# KiCad board ControlBoard.kicad_pcb (continued)
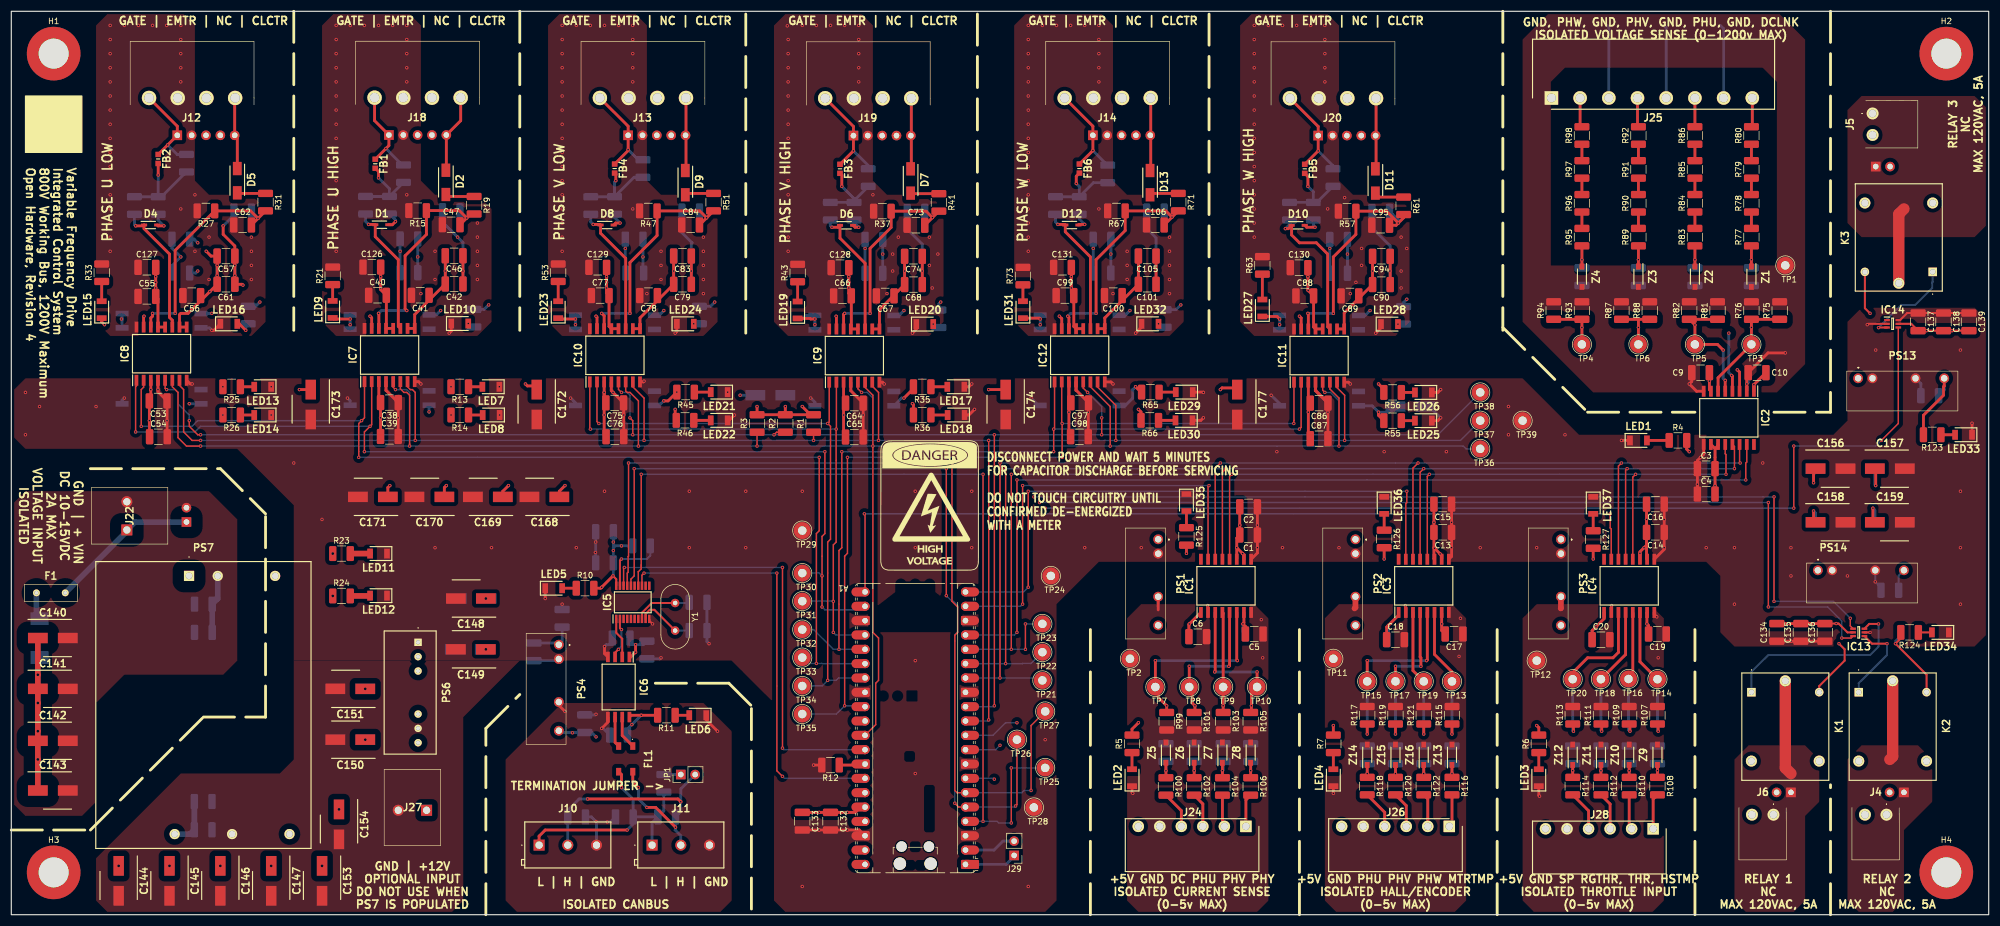
[diagram p0: board, top side]
## Routing (per net, layer and track width the routed paths; a pad name or vN(x,y) marks a point on that pad's centre or on a via; arc(x,y) is an arc through that point) (continued)
Net-(IC6-CANH): length 5.9
  Top w0.5: IC6.7 108.13,31.74 FL1.1
Net-(IC6-CANL): length 5.4
  Top w0.5: IC6.6 106.87,30.51 FL1.2
Net-(IC7-DESAT): length 40.1
  Top w0.5: R19.2 81.32,124.1 v1(80.61,123.39) ; v1(65,106.5) 65.06,106.44 65.06,103.84 ; v1(80.61,123.39) 79.3,124.7 R15.1 73.47,120.53 73.5,120.5 69.7,116.7 69.7,107.3 v1(70,107) ; v1(80.61,123.39) C47.2
  Bottom w0.5: v1(80.61,123.39) 79.42,124.58 R18.2 ; v1(70,107) 65.5,107 v1(65,106.5)
Net-(IC8-DESAT): length 41.2
  Top w0.5: R31.2 v1(43.67,123.33) ; v1(43.67,123.33) 42.35,124.65 R27.1 29,117.65 v1(29,106.5) ; v1(43.67,123.33) C62.2 ; v1(25,106.5) 25,106 24.69,105.69 IC8.14
  Bottom w0.5: v1(43.67,123.33) 42.5,124.5 R30.2 ; v1(25,106.5) v1(29,106.5)
Net-(IC9-DESAT): length 40.1
  Top w0.5: R41.2 v1(163.04,123.46) ; v1(163.04,123.46) C73.2 ; v1(163.04,123.46) 161.9,124.6 R37.1 155.73,121.73 152,118 v1(152,106.5) ; v1(147.5,106.5) 147.31,106.31 IC9.14
  Bottom w0.5: R40.2 161.9,124.6 v1(163.04,123.46) ; v1(147.5,106.5) v1(152,106.5)
Net-(IC10-DESAT): length 42.6
  Top w0.5: v1(123.07,123.42) 121.85,124.65 R47.1 114.3,120.3 109.5,115.5 v1(109.5,106.5) ; v1(123.07,123.42) C84.2 ; v1(123.07,123.42) R51.2 ; IC10.14 104.94,106.06 v1(104.5,106.5)
  Bottom w0.5: v1(123.07,123.42) 121.85,124.65 R50.2 ; v1(104.5,106.5) v1(109.5,106.5)
Net-(IC11-DESAT): length 41.8
  Top w0.5: v1(245.5,122.5) 243.4,124.6 R57.1 237.99,120.49 234,116.5 v1(234,106.5) ; v1(245.5,122.5) 245.1,122.1 C95.2 ; v1(245.5,122.5) 246.44,123.44 R61.2 ; IC11.14 229.57,106.42 v1(229.5,106.5)
  Bottom w0.5: v1(229.5,106.5) v1(234,106.5) ; v1(245.5,122.5) 245.5,123.04 R60.2
Net-(IC12-DESAT): length 41.9
  Top w0.5: v1(205.46,123.55) C106.2 ; v1(205.46,123.55) R71.2 ; v1(205.46,123.55) 204.35,124.65 R67.1 197.16,121.16 192,116 v1(192,106.5) ; v1(187,106) 187.19,105.81 IC12.14
  Bottom w0.5: v1(187,106) 187.5,106.5 v1(192,106.5) ; v1(205.46,123.55) 204.35,124.65 R70.2
Net-(IC13-C1/A1): length 15.2
  Top w0.35: v1(332,48) 329.35,48 IC13.1
  Bottom w0.35: v1(332,48) 332,46 327,41 K2.1
Net-(IC13-C2/A2): length 34.8
  Top w0.35: IC13.3 328.85,51.5 v1(330.5,51.5)
  Bottom w0.35: K1.1 308,43 311,46 329,46 330.5,47.5 v1(330.5,51.5)
Net-(IC14-C2/A2): length 16.8
  Top w0.35: v1(330.5,103.97) 330.52,104 IC14.3
  Bottom w0.35: K3.1 340.08,112.09 340,112 340,111 337,108 334.52,108 v1(330.5,103.97)
Net-(JP1-A): length 3
  Bottom w0.5: 115.5,24.82 JP1.1
Net-(LED1-A): length 3.9
  Top w0.5: R4.1 LED1.2
Net-(LED2-A): length 3
  Top w0.5: R5.1 LED2.2
Net-(LED3-A): length 3
  Top w0.5: LED3.2 R6.1
Net-(LED4-A): length 3
  Top w0.5: R7.1 LED4.2
Net-(LED5-A): length 2.5
  Top w0.5: R10.1 LED5.2
Net-(LED6-A): length 2.5
  Top w0.5: R11.1 LED6.2
Net-(LED7-A): length 2.4
  Top w0.5: R13.1 LED7.2
Net-(LED8-A): length 2.5
  Top w0.5: R14.1 LED8.2
Net-(LED9-A): length 2.9
  Top w0.5: LED9.2 R21.1
Net-(LED10-A): length 1.2
  Bottom w0.5: v1(80.88,104.7) 81.48,104.1 R22.1
Net-(LED11-A): length 3.5
  Top w1: LED11.2 R23.2
Net-(LED12-A): length 3.5
  Top w1: R24.2 63.45,56.46 LED12.2
Net-(LED13-A): length 2.5
  Top w0.5: LED13.2 R25.1
Net-(LED14-A): length 2.5
  Top w0.5: LED14.2 R26.1
Net-(LED15-A): length 3.5
  Top w0.5: LED15.2 R33.1
Net-(LED16-A): length 3.3
  Top w0.5: v1(41.5,103.5) 40.35,104.65 LED16.2
  Bottom w0.5: v1(41.5,103.5) 41.5,104.21 R34.1
Net-(LED17-A): length 2.9
  Top w0.5: R35.1 LED17.2
Net-(LED18-A): length 2.9
  Top w0.5: R36.1 LED18.2
Net-(LED19-A): length 3.5
  Top w0.5: LED19.2 R43.1
Net-(LED20-A): length 1.2
  Bottom w0.5: v1(163.18,104.6) 163.78,104 R44.1
Net-(LED21-A): length 2.9
  Top w0.5: R45.1 LED21.2
Net-(LED22-A): length 3
  Top w0.5: LED22.2 R46.1
Net-(LED23-A): length 3.5
  Top w0.5: LED23.2 R53.1
Net-(LED24-A): length 1
  Bottom w0.5: R54.1 v1(120.8,104.65)
Net-(LED25-A): length 2.4
  Top w0.5: LED25.2 R55.1
Net-(LED26-A): length 2.4
  Top w0.5: R56.1 LED26.2
Net-(LED27-A): length 4.5
  Top w0.5: R63.1 LED27.2
Net-(LED28-A): length 1
  Bottom w0.5: R64.1 v1(245.44,104.6)
Net-(LED29-A): length 3
  Top w0.5: R65.1 LED29.2
Net-(LED30-A): length 3
  Top w0.5: LED30.2 R66.1
Net-(LED31-A): length 2.9
  Top w0.5: R73.1 LED31.2
Net-(LED32-A): length 1.2
  Bottom w0.5: v1(203.06,104.65) 203.66,104.05 R74.1
Net-(LED33-A): length 2.5
  Top w0.5: R123.1 LED33.2
Net-(LED34-A): length 2.4
  Top w0.35: R124.1 LED34.2
Net-(LED35-A): length 3
  Top w0.5: LED35.2 R125.1
Net-(LED36-A): length 2.9
  Top w0.5: LED36.2 R126.1
Net-(LED37-A): length 3
  Top w0.5: LED37.2 R127.1
Net-(R77-Pad2): length 2.9
  Top w0.5: R78.1 R77.2
Net-(R78-Pad2): length 2.9
  Top w0.5: R79.1 R78.2
Net-(R79-Pad2): length 2.9
  Top w0.5: R79.2 R80.1
Net-(R83-Pad2): length 2.9
  Top w0.5: R84.1 R83.2
Net-(R84-Pad2): length 2.9
  Top w0.5: R85.1 R84.2
Net-(R85-Pad2): length 2.9
  Top w0.5: R86.1 R85.2
Net-(R89-Pad2): length 2.9
  Top w0.5: R90.1 R89.2
Net-(R90-Pad2): length 2.9
  Top w0.5: R91.1 R90.2
Net-(R91-Pad2): length 2.9
  Top w0.5: R92.1 R91.2
Net-(R95-Pad2): length 2.9
  Top w0.5: R96.1 R95.2
Net-(R96-Pad2): length 2.9
  Top w0.5: R97.1 R96.2
Net-(R97-Pad2): length 2.9
  Top w0.5: R98.1 R97.2

## Copper pours and planes (outline as drawn; the poured copper is in the pictures)
/+3.3V_A on In2.Cu: 15,2.5 17.5,0 77.5,0 80,2.5 80,37.5 82.5,40 85,40 87.5,42.5 87.5,67.5 85,70 55,70 52.5,67.5 52.5,27.5 50,25 30,25 15,12.5
/+3.3V_A on In2.Cu: 55,72.5 45,82.5 17.5,82.5 15,85 15,92.5 17.5,95 267.5,95 277.5,85 322.5,85 325,87.5 325,90 327.5,92.5 347.5,92.5 350,90 350,67.5 347.5,65 327.5,65 325,62.5 325,57.5 322.5,55 312.5,55 310,57.5 310,60 307.5,62.5 192.5,62.5 185,55 185,2.5 182.5,0 137.5,0 135,2.5 135,37.5 127.5,45 55,45
/+5V_V on In2.Cu, In3.Cu: 270,0 267.5,2.5 267.5,52.5 270,55 290,55 292.5,52.5 292.5,2.5 290,0
/+5V_W on In2.Cu, In3.Cu: 235,0 232.5,2.5 232.5,52.5 235,55 255,55 257.5,52.5 257.5,2.5 255,0
/+5V_Y on In2.Cu, In3.Cu: 200,0 197.5,2.5 197.5,52.5 200,55 220,55 222.5,52.5 222.5,2.5 220,0
/+12V_A on In3.Cu: 15,2.5 17.5,0 77.5,0 80,2.5 80,37.5 82.5,40 85,40 87.5,42.5 87.5,67.5 85,70 55,70 52.5,67.5 52.5,27.5 50,25 30,25 15,12.5
/+12V_A on In3.Cu: 55,72.5 45,82.5 17.5,82.5 15,85 15,92.5 17.5,95 267.5,95 277.5,85 322.5,85 325,87.5 325,90 327.5,92.5 347.5,92.5 350,90 350,67.5 347.5,65 327.5,65 325,62.5 325,57.5 322.5,55 312.5,55 310,57.5 310,60 307.5,62.5 192.5,62.5 185,55 185,2.5 182.5,0 137.5,0 135,2.5 135,37.5 127.5,45 55,45
/Connectors/VIN_GND on Top, In1.Cu, In2.Cu, In3.Cu, In4.Cu: 35,75 40,70 40,45 37.5,42.5 20,42.5 15,37.5 15,20 12.5,17.5 2.5,17.5 0,20 0,72.5 2.5,75
/GateDriverAssembly/GateDriver_PH_U_H/+15V_B on In3.Cu: 55,105 57.5,102.5 82.5,102.5 85,105 85,120 82.5,122.5 57.5,122.5 55,120
/GateDriverAssembly/GateDriver_PH_U_H/-9V_B on In2.Cu: 55,105 57.5,102.5 82.5,102.5 85,105 85,120 82.5,122.5 57.5,122.5 55,120
/GateDriverAssembly/GateDriver_PH_U_H/GND_B on Top, Bottom, In1.Cu, In4.Cu: 55,105 57.5,102.5 82.5,102.5 85,105 85,125 82.5,127.5 75,127.5 72.5,130 72.5,157.5 70,160 57.5,160 55,157.5
/GateDriverAssembly/GateDriver_PH_U_L/+15V_B on In3.Cu: 15,105 17.5,102.5 42.5,102.5 45,105 45,120 42.5,122.5 17.5,122.5 15,120
/GateDriverAssembly/GateDriver_PH_U_L/-9V_B on In2.Cu: 15,105 17.5,102.5 42.5,102.5 45,105 45,120 42.5,122.5 17.5,122.5 15,120
/GateDriverAssembly/GateDriver_PH_U_L/GND_B on Top, Bottom, In1.Cu, In4.Cu: 15,105 17.5,102.5 42.5,102.5 45,105 45,125 42.5,127.5 35,127.5 32.5,130 32.5,157.5 30,160 17.5,160 15,157.5
/GateDriverAssembly/GateDriver_PH_V_H/+15V_B on In3.Cu: 135,105 137.5,102.5 162.5,102.5 165,105 165,120 162.5,122.5 137.5,122.5 135,120
/GateDriverAssembly/GateDriver_PH_V_H/-9V_B on In2.Cu: 135,105 137.5,102.5 162.5,102.5 165,105 165,120 162.5,122.5 137.5,122.5 135,120
/GateDriverAssembly/GateDriver_PH_V_H/GND_B on Top, Bottom, In1.Cu, In4.Cu: 135,105 137.5,102.5 162.5,102.5 165,105 165,125 162.5,127.5 155,127.5 152.5,130 152.5,157.5 150,160 137.5,160 135,157.5
/GateDriverAssembly/GateDriver_PH_V_L/+15V_B on In3.Cu: 95,105 97.5,102.5 122.5,102.5 125,105 125,120 122.5,122.5 97.5,122.5 95,120
/GateDriverAssembly/GateDriver_PH_V_L/-9V_B on In2.Cu: 95,105 97.5,102.5 122.5,102.5 125,105 125,120 122.5,122.5 97.5,122.5 95,120
/GateDriverAssembly/GateDriver_PH_V_L/GND_B on Top, Bottom, In1.Cu, In4.Cu: 95,105 97.5,102.5 122.5,102.5 125,105 125,125 122.5,127.5 115,127.5 112.5,130 112.5,157.5 110,160 97.5,160 95,157.5
/GateDriverAssembly/GateDriver_PH_W_H/+15V_B on In3.Cu: 217.5,105 220,102.5 245,102.5 247.5,105 247.5,120 245,122.5 220,122.5 217.5,120
/GateDriverAssembly/GateDriver_PH_W_H/-9V_B on In2.Cu: 217.5,105 220,102.5 245,102.5 247.5,105 247.5,120 245,122.5 220,122.5 217.5,120
/GateDriverAssembly/GateDriver_PH_W_H/GND_B on Top, Bottom, In1.Cu, In4.Cu: 217.5,105 220,102.5 245,102.5 247.5,105 247.5,125 245,127.5 237.5,127.5 235,130 235,157.5 232.5,160 220,160 217.5,157.5
/GateDriverAssembly/GateDriver_PH_W_L/+15V_B on In3.Cu: 177.5,105 180,102.5 205,102.5 207.5,105 207.5,120 205,122.5 180,122.5 177.5,120
/GateDriverAssembly/GateDriver_PH_W_L/-9V_B on In2.Cu: 177.5,104.65 180,102.15 205,102.15 207.5,104.65 207.5,119.65 205,122.15 180,122.15 177.5,119.65
/GateDriverAssembly/GateDriver_PH_W_L/GND_B on Top, Bottom, In1.Cu, In4.Cu: 177.5,105 180,102.5 205,102.5 207.5,105 207.5,125 205,127.5 197.5,127.5 195,130 195,157.5 192.5,160 180,160 177.5,157.5
/GND_A on Top, Bottom, In1.Cu, In4.Cu: 15,2.5 17.5,0 77.5,0 80,2.5 80,35 90,45 90,67.5 87.5,70 52.5,70 50,67.5 50,27.5 47.5,25 30,25 15,10
/GND_A on Top, Bottom, In1.Cu, In4.Cu: 50,72.5 40,82.5 2.5,82.5 0,85 0,92.5 2.5,95 267.5,95 277.5,85 322.5,85 325,87.5 325,105 327.5,107.5 347.5,107.5 350,105 350,50 347.5,47.5 305,47.5 302.5,50 302.5,60 300,62.5 192.5,62.5 185,55 185,2.5 182.5,0 137.5,0 135,2.5 135,37.5 127.5,45 50,45
/GND_U on Top, Bottom, In1.Cu, In4.Cu: 267.5,155 272.5,160 312.5,160 310,150 275,150 272.5,147.5 272.5,115 312.5,115 312.5,147.5 310,150 312.5,160 317.5,155 317.5,97.5 312.5,92.5 280,92.5 267.5,105
/GND_V on Top, Bottom, In1.Cu, In4.Cu: 270,0 267.5,2.5 267.5,52.5 270,55 290,55 292.5,52.5 292.5,2.5 290,0
/GND_W on Top, Bottom, In1.Cu, In4.Cu: 235,0 232.5,2.5 232.5,52.5 235,55 255,55 257.5,52.5 257.5,2.5 255,0
/OutputRelays/+5V_A_INT on In2.Cu, In3.Cu: 327.5,107.5 347.5,107.5 350,105 350,97.5 347.5,95 327.5,95 325,97.5 325,105
/OutputRelays/+5V_A_INT_2 on In2.Cu, In3.Cu: 330,62.5 347.5,62.5 350,60 350,50 347.5,47.5 312.5,47.5 310,50 312.5,52.5 325,52.5 327.5,55 327.5,60
/CAN/CAN_GND on Top, Bottom, In1.Cu, In4.Cu: 122.5,37.5 127.5,32.5 127.5,2.5 125,0 90,0 87.5,2.5 87.5,27.5 97.5,37.5
/CAN/CAN_ISO_5V on In2.Cu, In3.Cu: 122.5,37.5 127.5,32.5 127.5,2.5 125,0 90,0 87.5,2.5 87.5,27.5 97.5,37.5
/ISENSE_GND_Y on Top, Bottom, In1.Cu, In4.Cu: 200,0 197.5,2.5 197.5,52.5 200,55 220,55 222.5,52.5 222.5,2.5 220,0
/RELAY1_COM on Top: 307.5,30 305,27.5 305,2.5 307.5,0 315,0 317.5,2.5 317.5,17.5 320,20 320,27.5 317.5,30
/RELAY1_NO on Bottom: 307.5,30 305,27.5 305,2.5 307.5,0 315,0 317.5,2.5 317.5,17.5 320,20 320,27.5 317.5,30
/RELAY2_COM on Top: 327.5,30 325,27.5 325,2.5 327.5,0 332.5,0 335,2.5 335,15 340,20 340,27.5 337.5,30
/RELAY2_NO on Bottom: 327.5,30 325,27.5 325,2.5 327.5,0 332.5,0 335,2.5 335,15 340,20 340,27.5 337.5,30
/RELAY3_COM on Top: 325,142.5 327.5,145 347.5,145 350,142.5 350,122.5 347.5,120 327.5,120 325,122.5
/RELAY3_NO on Bottom: 325,142.5 327.5,145 347.5,145 350,142.5 350,122.5 347.5,120 327.5,120 325,122.5
Net-(C140-+) on Bottom: 40,62.5 40,45 37.5,42.5 20,42.5 15,37.5 15,20 12.5,17.5 2.5,17.5 0,20 0,45 2.5,47.5 7.5,47.5 10,50 10,52.5 22.5,65 37.5,65

## Text on the board
F.Silkscreen: DISCONNECT POWER AND WAIT 5 MINUTES / FOR CAPACITOR DISCHARGE BEFORE SERVICING / DO NOT TOUCH CIRCUITRY UNTIL / CONFIRMED DE-ENERGIZED / WITH A METER | GATE | EMTR | NC | CLCTR | GND | +12V / OPTIONAL INPUT / DO NOT USE WHEN / PS7 IS POPULATED | L | H | GND | TERMINATION JUMPER -> | ISOLATED CANBUS | +5V GND DC PHU PHV PHY / ISOLATED CURRENT SENSE / (0-5v MAX) | +5V GND PHU PHV PHW MTRTMP / ISOLATED HALL/ENCODER / (0-5v MAX) | +5V GND SP RGTHR, THR, HSTMP / ISOLATED THROTTLE INPUT / (0-5v MAX) | GND, PHW, GND, PHV, GND, PHU, GND, DCLNK / ISOLATED VOLTAGE SENSE (0-1200v MAX) | RELAY 1 / NC / MAX 120VAC, 5A | RELAY 2 / NC / MAX 120VAC, 5A | RELAY 3 / NC / MAX 120VAC, 5A | Variable Frequency Drive / Integrated Control System / 800V Working Bus, 1200V Maximum / Open Hardware, Revision 4 | GND | + VIN / DC 10-15VDC / 2A MAX / VOLTAGE INPUT / ISOLATED | PHASE U LOW | PHASE U HIGH | PHASE V LOW | PHASE V HIGH | PHASE W LOW | PHASE W HIGH
